# Altium PCB SysUprTestUUDown.PcbDoc (part 3 of 3)
Units mm, origin at the board's own origin, x right, y up, seen from the top; angles counter-clockwise.
Board outline 140.1 x 94.7 mm, 4 copper layers (Top Layer, Mid-Layer 1, Mid-Layer 2, Bottom Layer), stack 1.572 mm thick; 248 components, 135 nets, 1205 pads, 426 vias.
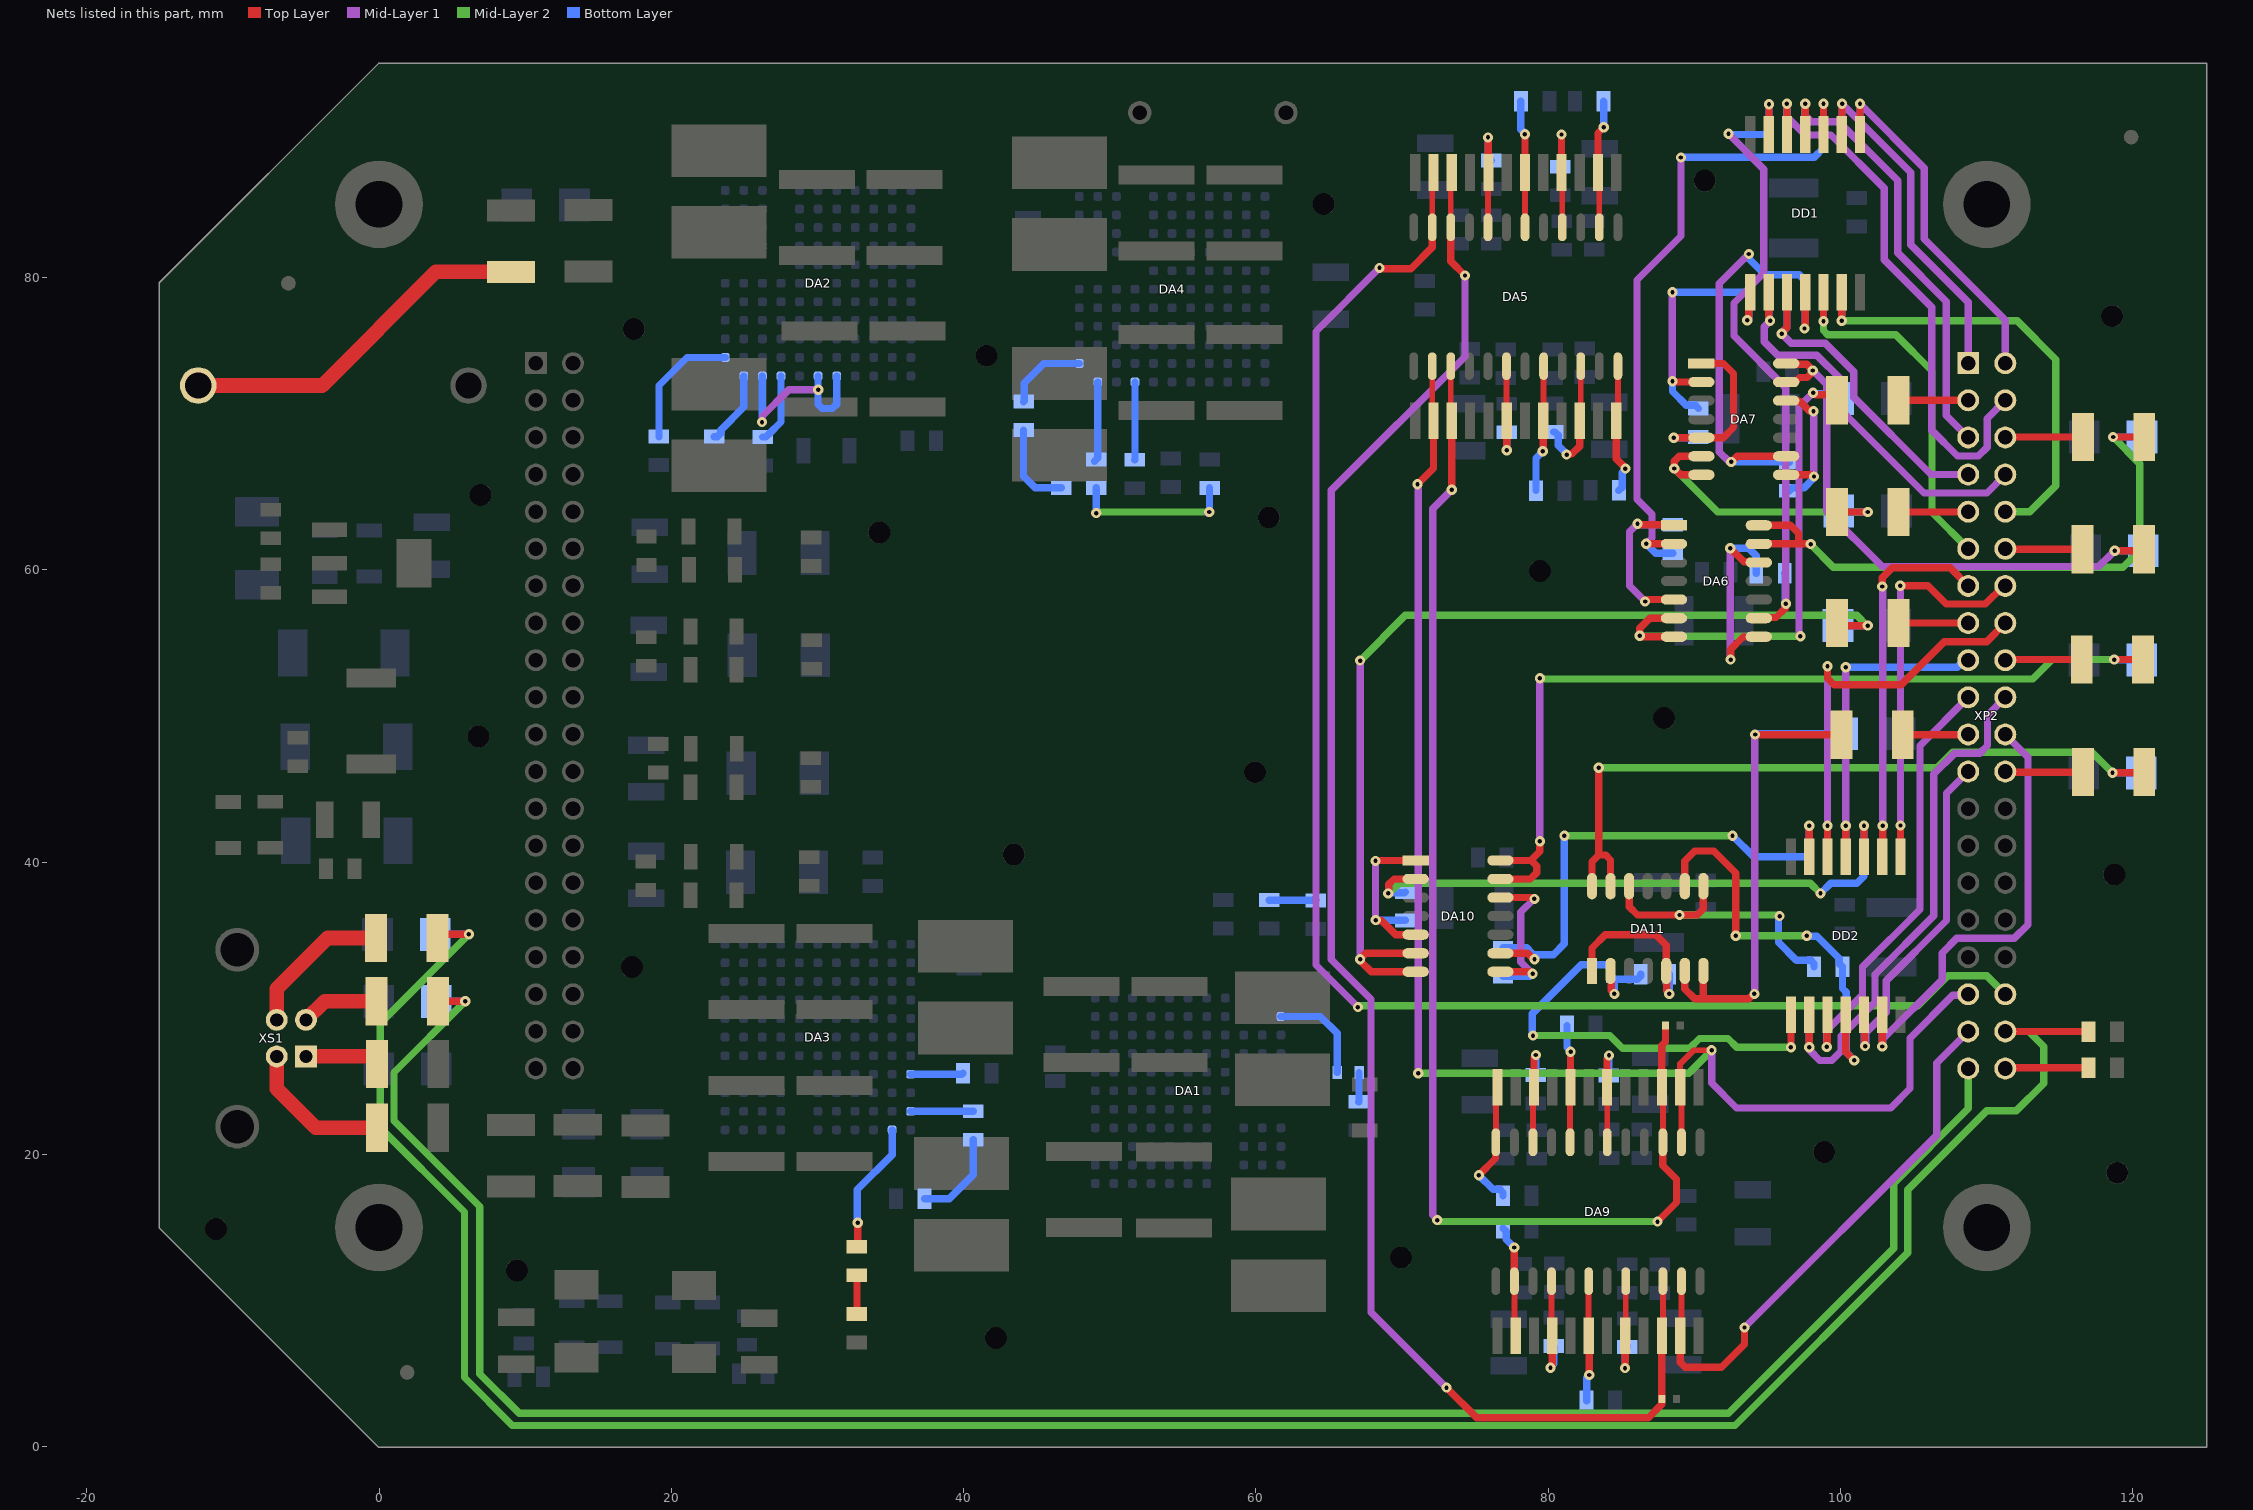
[diagram p5: the nets of this part, all layers, seen from the top]

## Via types
v1: diameter 0.7, hole 0.3, Top Layer to Bottom Layer, tented both sides, 421 vias
v2: diameter 1.1, hole 0.5, Top Layer to Bottom Layer, tented both sides, 5 vias

## Nets (pads, with @x,y where several pads share a name; then routed paths per layer and width w, separated by ;. In a path a pad name is that pad's centre, name@x,y a point inside that pad or via, vN(x,y) a via of type N, cw(c..) or ccw(c..) an arc to the next point about the centre after c; other vN are vias at no path point) (continued)
NetDA1_B1: DA1.B1 R1.2 | length 7
  Bottom Layer w0.5: DA1.B1@61.704,29.43 64.395,29.43 65.55,28.275 R1.2@65.55,25.6
NetDA2_A2: DA2.A2 R12.2 | length 5.1
  Bottom Layer w0.5: R12.2@22.925,69.1 23.15,69.1 23.375,69.325 23.375,69.55 24.96,71.135 DA2.A2@24.96,73.25
NetDA2_A3: DA2.A3 DA2.A6 DA2.A7 | length 13.5
  Mid-Layer 1 w0.5: v1(26.2,70.1) 26.238,70.138 26.238,70.513 28.042,72.317 v1(30.05,72.317)
  Bottom Layer w0.5: v1(26.2,70.1) 26.23,70.13 DA2.A3@26.23,73.25 ; DA2.A6@30.04,73.25 30.04,72.326 v1(30.05,72.317) 30.04,72.307 30.04,71.318 30.333,71.025 31.017,71.025 31.31,71.318 DA2.A7@31.31,73.25
NetDA2_A4: DA2.A4 R4.2 | length 4.8
  Bottom Layer w0.5: R4.2@26.25,69.075 26.475,69.075 26.7,69.3 27.5,70.1 DA2.A4@27.5,73.25
NetDA2_B1: DA2.B1 R11.1 | length 8.8
  Bottom Layer w0.5: R11.1@19.15,69.1 19.15,72.6 21.07,74.52 DA2.B1@23.69,74.52
NetDA3_A2: DA3.A2 R15.1 | length 4.3
  Bottom Layer w0.5: DA3.A2@36.375,22.941 40.645,22.941 R15.1@40.65,22.946
NetDA3_A4: DA3.A4 R5.2 | length 3.6
  Bottom Layer w0.5: DA3.A4@36.375,25.481 39.885,25.481 R5.2@39.95,25.546
NetDA3_B1: DA3.B1 R6.2 | length 9
  Top Layer w0.5: R6.2@32.7,13.675 32.75,13.725 v1(32.75,15.325)
  Bottom Layer w0.5: v1(32.75,15.325) 32.725,15.35 32.725,17.6 35.105,19.98 DA3.B1@35.105,21.671
NetDA4_A2: DA4.A2 R17.1 | length 5.5
  Bottom Layer w0.5: R17.1@48.95,67.425 48.955,67.425 49.18,67.65 DA4.A2@49.18,72.84
NetDA4_A4: DA4.A4 R8.2 | length 5.3
  Bottom Layer w0.5: R8.2@51.7,67.525 51.72,67.545 DA4.A4@51.72,72.84
NetDA4_B1: DA4.B1 R9.2 | length 5.6
  Bottom Layer w0.5: R9.2@44.1,71.5 44.15,71.55 44.15,72.775 45.485,74.11 DA4.B1@47.91,74.11
NetDA5_2: DA5.2 R25.2 | length 5.1
  Top Layer w0.5: DA5.2@83.4,87.175 83.4,89.875 v1(83.8,90.275)
  Bottom Layer w0.5: R25.2@83.775,92.05 83.8,92.025 v1(83.8,90.275)
NetDA5_4: DA5.4 R36.2 | length 4.8
  Top Layer w0.5: DA5.4@80.9,87.175 v1(80.9,89.775)
  Bottom Layer w0.5: R36.2@80.829,87.566 80.9,87.637 v1(80.9,89.775)
NetDA5_6: DA5.6 R29.2 | length 5
  Top Layer w0.5: DA5.6@78.4,87.175 v1(78.4,89.8)
  Bottom Layer w0.5: R29.2@78.121,92.05 78.121,90.133 78.4,89.854 v1(78.4,89.8)
NetDA5_8: DA5.8 R38.2 | length 4.1
  Top Layer w0.5: v1(75.875,89.575) 75.9,89.55 DA5.8@75.9,87.175
  Bottom Layer w0.5: v1(75.875,89.575) 75.875,88.225 R38.2@76.1,88
NetDA5_18: DA5.18 R37.2 | length 3.2
  Top Layer w0.5: v1(77.15,68.175) DA5.18@77.15,70.175
  Bottom Layer w0.5: v1(77.15,68.175) R37.2@77.15,69.4
NetDA5_20: DA5.20 R27.2 | length 5
  Top Layer w0.5: v1(79.625,68.1) 79.65,68.125 DA5.20@79.65,70.175
  Bottom Layer w0.5: R27.2@79.154,65.416 79.154,67.629 v1(79.625,68.1)
NetDA5_22: DA5.22 R35.2 | length 4.8
  Top Layer w0.5: v1(81.25,67.875) 81.288,67.913 81.613,67.913 82.15,68.45 DA5.22@82.15,70.175
  Bottom Layer w0.5: R35.2@80.35,69.421 80.457,69.421 80.682,69.196 80.682,68.497 81.25,67.929 v1(81.25,67.875)
NetDA5_24: DA5.24 R23.2 | length 5.2
  Top Layer w0.5: DA5.24@84.65,70.175 84.65,67.595 85.275,66.97 v1(85.275,66.916)
  Bottom Layer w0.5: R23.2@84.829,65.421 85.054,65.646 85.054,66.641 85.275,66.862 v1(85.275,66.916)
NetDA6_1: DA6.1 DA6.5 R48.2 | length 13
  Top Layer w0.5: v1(86.1,63.15) 86.154,63.15 86.229,63.075 88.56,63.075 DA6.1@88.6,63.035 ; v1(86.625,57.825) 86.679,57.825 86.809,57.955 DA6.5@88.6,57.955
  Mid-Layer 1 w0.5: v1(86.1,63.15) 85.55,62.6 85.55,58.9 v1(86.625,57.825)
  Bottom Layer w0.5: v1(86.1,63.15) 86.154,63.15 86.229,63.075 R48.2@88.525,63.075
NetDA6_2: DA6.2 R39.2 R48.1 | length 43.2
  Top Layer w0.5: v1(86.7,61.775) 86.71,61.765 DA6.2@88.6,61.765
  Mid-Layer 1 w0.5: v1(86.7,61.775) 86.707,61.775 87.1,62.168 87.1,63.8 86.075,64.825 86.075,79.825 89.075,82.825 v1(89.075,88.2)
  Bottom Layer w0.5: v1(86.7,61.775) 87.35,61.125 R48.1@88.525,61.125 ; v1(89.075,88.2) 89.1,88.225 98.2,88.225 98.825,88.85 R39.2@98.825,89.775
NetDA6_6: DA6.6 DA6.7 FU3.1 VD4.KA2 | length 37.4
  Top Layer w0.5: DA6.7@88.6,55.415 86.368,55.415 86.308,55.475 v1(86.254,55.475) 86.254,55.989 86.95,56.685 DA6.6@88.6,56.685 ; v1(98.117,72.112) 98.171,72.112 98.308,71.975 99.375,71.975 FU3.1@99.75,71.6
  Mid-Layer 1 w0.5: v1(97.25,55.45) 97.25,55.504 97.15,55.604 97.15,71.146 v1(98.117,72.112)
  Mid-Layer 2 w0.5: v1(86.254,55.475) 86.279,55.45 v1(97.25,55.45)
  Bottom Layer w0.5: v1(98.117,72.112) 98.171,72.112 98.256,72.028 99.543,72.028 VD4.KA2@99.85,71.721
NetDA6_8: DA6.8 DA6.12 R49.2 | length 16.2
  Top Layer w0.5: v1(92.45,61.475) 93.392,60.533 94.362,60.533 DA6.12@94.4,60.495 ; v1(92.473,53.852) 92.473,54.548 93.317,55.392 94.377,55.392 DA6.8@94.4,55.415
  Mid-Layer 1 w0.5: v1(92.45,61.475) 92.45,53.875 v1(92.473,53.852)
  Bottom Layer w0.5: v1(92.45,61.475) 93.7,61.475 94.229,60.946 R49.2@94.229,59.75
NetDA6_9: DA6.9 R40.2 R49.1 | length 42.8
  Top Layer w0.5: DA6.9@94.4,56.685 94.438,56.723 95.573,56.723 96.218,57.368 96.218,57.637 v1(96.256,57.675)
  Mid-Layer 1 w0.5: v1(92.329,89.825) 94.75,87.404 94.75,80.3 92.7,78.25 92.7,76 96.25,72.45 96.25,57.681 v1(96.256,57.675)
  Bottom Layer w0.5: v1(92.329,89.825) 92.383,89.825 92.433,89.775 R40.2@95.1,89.775 ; R49.1@96.179,59.75 96.218,59.711 96.218,57.713 v1(96.256,57.675)
NetDA6_13: DA6.13 DA6.14 FU4.1 VD5.KA2 | length 43.5
  Top Layer w0.5: DA6.13@94.4,61.765 97.2,61.765 97.935,61.765 v1(97.95,61.75) ; DA6.14@94.4,63.035 96.565,63.035 97.115,62.485 97.115,61.765 ; v1(118.644,69.081) 118.65,69.075 FU4.1@120.775,69.075
  Mid-Layer 2 w0.5: v1(97.95,61.75) 97.95,61.725 99.5,60.175 119.325,60.175 120.475,61.325 120.475,67.25 v1(118.644,69.081)
  Bottom Layer w0.5: v1(118.644,69.081) 118.65,69.075 VD5.KA2@120.625,69.075
NetDA7_1: DA7.1 DA7.5 R50.2 | length 12.3
  Top Layer w0.5: v1(88.58,69.03) DA7.5@90.475,69.03 91.98,69.03 92.675,69.725 92.675,73.425 91.99,74.11 DA7.1@90.475,74.11
  Bottom Layer w0.5: v1(88.58,69.03) 90.23,69.03 R50.2@90.275,69.075
NetDA7_2: DA7.2 R41.2 R50.1 | length 16.3
  Top Layer w0.5: v1(88.5,72.9) 88.554,72.9 88.614,72.84 DA7.2@90.475,72.84
  Mid-Layer 1 w0.5: v1(88.5,72.9) 88.475,72.925 88.475,78.95 v1(88.5,78.975)
  Bottom Layer w0.5: v1(88.5,72.9) 88.5,72.195 89.445,71.25 90.05,71.25 R50.1@90.275,71.025 ; v1(88.5,78.975) R41.2@93.75,78.975
NetDA7_6: DA7.6 DA7.7 FU5.1 VD6.KA2 | length 23.1
  Top Layer w0.5: DA7.7@90.475,66.49 89.06,66.49 v1(88.625,66.925) 88.625,67.425 88.96,67.76 DA7.6@90.475,67.76 ; FU5.1@99.75,63.95 v1(101.85,63.95)
  Mid-Layer 2 w0.5: v1(88.625,66.925) 91.6,63.95 v1(101.85,63.95)
  Bottom Layer w0.5: VD6.KA2@99.875,64.025 99.95,63.95 v1(101.85,63.95)
NetDA7_8: DA7.8 DA7.12 R51.2 | length 10.8
  Top Layer w0.5: DA7.8@96.275,66.49 98.006,66.49 98.121,66.375 v1(98.175,66.375) ; DA7.12@96.275,71.57 96.313,71.532 97.193,71.532 97.849,70.876 98.108,70.876 v1(98.146,70.838)
  Mid-Layer 1 w0.5: v1(98.146,70.838) 98.161,70.824 98.161,66.389 v1(98.175,66.375)
  Bottom Layer w0.5: R51.2@96.475,65.4 96.68,65.605 97.505,65.605 98.137,66.237 98.137,66.337 v1(98.175,66.375)
NetDA7_9: DA7.9 R42.2 R51.1 | length 29
  Top Layer w0.5: v1(92.525,67.375) 92.533,67.375 92.918,67.76 DA7.9@96.275,67.76
  Mid-Layer 1 w0.5: v1(92.525,67.375) 92.487,67.413 92.337,67.413 91.7,68.05 91.7,79.575 v1(93.725,81.6)
  Bottom Layer w0.5: v1(92.525,67.375) 96.45,67.375 R51.1@96.475,67.35 ; v1(93.725,81.6) 93.763,81.562 93.763,81.237 94.825,80.175 97.175,80.175 97.575,79.775 R42.2@97.575,78.975
NetDA7_13: DA7.13 DA7.14 FU6.1 VD7.KA2 | length 39.9
  Top Layer w0.5: DA7.13@96.275,72.84 96.879,72.84 97.189,73.15 97.707,73.15 98.062,73.505 98.062,73.587 v1(98.1,73.625) 97.675,74.05 97.026,74.05 97.005,74.072 96.313,74.072 DA7.14@96.275,74.11 ; v1(118.75,61.3) 120.65,61.3 FU6.1@120.75,61.4
  Mid-Layer 1 w0.5: v1(98.1,73.625) 99.05,72.675 99.05,64 102.825,60.225 117.675,60.225 v1(118.75,61.3)
  Bottom Layer w0.5: v1(118.75,61.3) VD7.KA2@120.7,61.3
NetDA9_2: DA9.2 R60.2 | length 3.9
  Top Layer w0.5: v1(77.675,13.625) 77.68,13.62 DA9.2@77.68,11.325
  Bottom Layer w0.5: R60.2@76.9,14.95 77.125,14.725 77.125,14.175 v1(77.675,13.625)
NetDA9_4: DA9.4 R73.2 | length 3.8
  Top Layer w0.5: v1(80.15,5.4) 80.15,5.454 80.27,5.574 DA9.4@80.27,7.575
  Bottom Layer w0.5: v1(80.15,5.4) 80.15,5.454 80.375,5.679 R73.2@80.375,6.875
NetDA9_6: DA9.6 R64.2 | length 4.5
  Top Layer w0.5: DA9.6@82.77,7.575 82.8,7.545 v1(82.8,4.9)
  Bottom Layer w0.5: R64.2@82.625,3.15 82.625,4.725 v1(82.8,4.9)
NetDA9_8: DA9.8 R75.2 | length 3.7
  Top Layer w0.5: v1(85.25,5.375) 85.27,5.395 DA9.8@85.27,7.575
  Bottom Layer w0.5: v1(85.25,5.375) 85.25,6.675 R75.2@85.4,6.825
NetDA9_18: DA9.18 R74.2 | length 3.6
  Top Layer w0.5: DA9.18@84.02,24.575 84.02,26.583 84.15,26.713 v1(84.15,26.767)
  Bottom Layer w0.5: R74.2@84.15,25.4 v1(84.15,26.767)
NetDA9_20: DA9.20 R62.2 | length 4.3
  Top Layer w0.5: DA9.20@81.52,24.575 81.52,27.02 v1(81.525,27.025)
  Bottom Layer w0.5: R62.2@81.275,28.8 81.275,27.329 81.525,27.079 v1(81.525,27.025)
NetDA9_22: DA9.22 R72.2 | length 3.7
  Top Layer w0.5: DA9.22@79.02,24.575 79.02,26.616 79.15,26.746 v1(79.15,26.8)
  Bottom Layer w0.5: R72.2@79.15,25.425 v1(79.15,26.8)
NetDA9_24: DA9.24 R58.2 | length 5.1
  Top Layer w0.5: v1(75.25,18.575) 76.391,19.716 76.391,20.806 DA9.24@76.41,20.825
  Bottom Layer w0.5: v1(75.25,18.575) 76.221,17.604 76.675,17.604 76.9,17.379 R58.2@76.9,17.154
NetDA10_1: DA10.1 DA10.5 R82.2 | length 12
  Top Layer w0.5: v1(68.175,40.075) 68.21,40.11 DA10.1@70.925,40.11 ; v1(68.2,36.025) 68.238,35.987 68.613,35.987 69.57,35.03 DA10.5@70.925,35.03
  Mid-Layer 1 w0.5: v1(68.175,40.075) 68.175,36.05 v1(68.2,36.025)
  Bottom Layer w0.5: v1(68.2,36.025) 68.213,36.013 70.212,36.013 R82.2@70.225,36
NetDA10_2: DA10.2 R76.2 R82.1 | length 38.8
  Top Layer w0.5: v1(69.05,37.85) 69.088,37.888 69.088,38.488 69.44,38.84 DA10.2@70.925,38.84
  Mid-Layer 2 w0.5: v1(69.05,37.85) 69.104,37.85 69.804,38.55 97.925,38.55 v1(98.625,37.85)
  Bottom Layer w0.5: v1(69.05,37.85) 69.088,37.888 70.163,37.888 R82.1@70.225,37.95 ; v1(98.625,37.85) 99.325,38.55 101.125,38.55 101.6,39.025 R76.2@101.6,40.35
NetDA10_6: DA10.6 DA10.7 FU10.1 VD10.KA2 | length 69.1
  Top Layer w0.5: DA10.7@70.925,32.49 67.885,32.49 67.225,33.15 67.225,33.196 67.125,33.296 67.125,33.367 67.518,33.76 DA10.6@70.925,33.76 ; FU10.1@99.75,56.35 99.925,56.175 v1(101.85,56.175)
  Mid-Layer 1 w0.5: v1(67.125,33.35) v1(67.125,53.779)
  Mid-Layer 2 w0.5: v1(67.125,53.779) 70.221,56.875 101.096,56.875 101.796,56.175 v1(101.85,56.175)
  Bottom Layer w0.5: VD10.KA2@99.825,56.175 v1(101.85,56.175)
NetDA10_8: DA10.8 DA10.12 R83.2 | length 12.6
  Top Layer w0.5: DA10.8@76.725,32.49 78.731,32.49 78.871,32.35 v1(78.925,32.35) ; DA10.12@76.725,37.57 78.901,37.57 78.996,37.475 v1(79.05,37.475)
  Mid-Layer 1 w0.5: v1(78.925,32.35) 78.12,33.155 78.12,36.576 79.019,37.475 v1(79.05,37.475)
  Bottom Layer w0.5: R83.2@76.9,32.175 78.75,32.175 v1(78.925,32.35)
NetDA10_9: DA10.9 R77.2 R83.1 | length 32.3
  Top Layer w0.5: DA10.9@76.725,33.76 78.592,33.76 79.002,33.35 v1(79.056,33.35)
  Mid-Layer 2 w0.5: v1(81.1,41.8) v1(92.604,41.8)
  Bottom Layer w0.5: R83.1@76.9,34.125 78.521,34.125 78.887,33.759 78.887,33.688 78.925,33.65 80.35,33.65 81.1,34.4 v1(81.1,41.8) ; v1(79.056,33.35) v1@79.056,33.65 ; v1(92.604,41.8) 94.054,40.35 R77.2@97.85,40.35
NetDA10_13: DA10.13 DA10.14 FU11.1 VD11.KA2 | length 62.2
  Top Layer w0.5: DA10.13@76.725,38.84 78.765,38.84 79.2,39.275 79.2,39.725 78.815,40.11 ; DA10.14@76.725,40.11 78.815,40.11 ; v1(79.425,41.425) 79.425,40.72 78.815,40.11 ; v1(118.725,53.85) FU11.1@120.7,53.85
  Mid-Layer 1 w0.5: v1(79.425,41.425) v1(79.425,52.575)
  Mid-Layer 2 w0.5: v1(79.425,52.575) 79.475,52.525 113.15,52.525 114.475,53.85 v1(118.725,53.85)
  Bottom Layer w0.5: v1(118.725,53.85) 118.75,53.825 VD11.KA2@120.6,53.825
NetDA11_1: DA11.1 DA11.5 R84.2 | length 12.1
  Top Layer w0.5: DA11.1@82.99,32.546 82.99,34.115 83.9,35.025 87.35,35.025 88.07,34.305 DA11.5@88.07,32.546 88.108,32.507 88.108,31.196 88.275,31.029 v1(88.275,30.975)
  Bottom Layer w0.5: v1(88.275,30.975) R84.2@88.275,32.325
NetDA11_2: DA11.2 R78.2 R84.1 | length 5
  Top Layer w0.5: DA11.2@84.26,32.546 84.298,32.507 84.298,31.206 84.525,30.979 v1(84.525,30.975)
  Bottom Layer w0.5: R78.2@84.225,31.975 84.525,31.975 ; v1(84.525,30.975) 84.525,31.975 ; R84.1@86.325,32.325 86.325,32.2 86.1,31.975 84.525,31.975
NetDA11_6: DA11.6 DA11.7 FU12.1 VD12.KA2 | length 38
  Top Layer w0.5: DA11.6@89.34,32.546 89.34,31.31 90.012,30.638 90.61,30.638 ; DA11.7@90.61,32.546 90.61,30.638 ; v1(94.1,30.975) 94.046,30.975 93.709,30.638 90.61,30.638 ; v1(94.15,48.725) 94.175,48.7 FU12.1@100.05,48.7
  Mid-Layer 1 w0.5: v1(94.1,30.975) 94.125,31 94.125,48.7 v1(94.15,48.725)
  Bottom Layer w0.5: v1(94.15,48.725) 94.204,48.725 94.254,48.775 VD12.KA2@100.125,48.775
NetDA11_8: DA11.8 DA11.12 R85.2 | length 20.4
  Top Layer w0.5: DA11.12@85.53,38.346 85.53,36.945 86.1,36.375 v1(88.975,36.375) 90.2,36.375 90.61,36.785 DA11.8@90.61,38.346
  Mid-Layer 2 w0.5: v1(88.975,36.375) 95.609,36.375 95.645,36.338 95.787,36.338 v1(95.825,36.3)
  Bottom Layer w0.5: v1(95.825,36.3) 95.787,36.262 95.787,36.12 95.75,36.084 95.75,34.5 96.975,33.275 97.95,33.275 98.175,33.05 R85.2@98.175,32.825
NetDA11_9: DA11.9 R79.2 R85.1 | length 22.2
  Top Layer w0.5: DA11.9@89.34,38.346 89.34,40.065 90.025,40.75 91.325,40.75 92.825,39.25 v1(92.825,34.95)
  Mid-Layer 2 w0.5: v1(92.825,34.95) v1(97.675,34.95)
  Bottom Layer w0.5: v1(97.675,34.95) 97.713,34.912 98.388,34.912 99.9,33.4 99.9,33.05 R85.1@100.125,32.825 100.125,31.35 100.375,31.1 R79.2@100.375,29.55
NetDA11_13: DA11.13 DA11.14 FU13.1 VD13.KA2 | length 51.4
  Top Layer w0.5: DA11.14@82.99,38.346 82.99,40.015 83.45,40.475 ; v1(83.45,46.45) 83.45,40.475 ; DA11.13@84.26,38.346 84.26,40.14 83.925,40.475 83.45,40.475 ; v1(118.6,46.1) 120.725,46.1 FU13.1@120.775,46.15
  Mid-Layer 2 w0.5: v1(83.45,46.45) 106.6,46.45 107.65,47.5 117.2,47.5 v1(118.6,46.1)
  Bottom Layer w0.5: v1(118.6,46.1) VD13.KA2@120.575,46.1
NetDD1_3: DD1.3 R39.1 | length 3.2
  Top Layer w0.5: v1@98.8,91.9 v1(98.825,91.875) DD1.3@98.825,89.775
  Bottom Layer w0.5: R39.1@98.825,90.775 v1(98.825,91.875)
NetDD1_6: DD1.6 R40.1 | length 3.2
  Top Layer w0.5: DD1.6@95.075,89.775 95.1,89.8 v1(95.1,91.85)
  Bottom Layer w0.5: R40.1@95.1,90.775 v1(95.1,91.85)
NetDD1_8: DD1.8 R41.1 | length 3
  Top Layer w0.5: v1(93.616,77.066) 93.616,77.12 93.725,77.229 93.725,78.875 DD1.8@93.825,78.975
  Bottom Layer w0.5: v1(93.616,77.066) 93.616,77.12 93.725,77.229 93.725,77.975 R41.1@93.75,77.975
NetDD1_11: DD1.11 R42.1 | length 4
  Top Layer w0.5: v1(97.525,76.5) 97.525,76.554 97.575,76.604 DD1.11@97.575,78.975
  Bottom Layer w0.5: v1(97.525,76.5) 97.525,76.554 97.575,76.604 R42.1@97.575,77.975
NetDD2_3: DD2.3 R76.1 | length 3.2
  Top Layer w0.5: DD2.3@101.6,40.35 v1(101.6,42.475)
  Bottom Layer w0.5: R76.1@101.6,41.35 v1(101.6,42.475)
NetDD2_6: DD2.6 R77.1 | length 3.2
  Top Layer w0.5: DD2.6@97.85,40.35 v1(97.85,42.475)
  Bottom Layer w0.5: R77.1@97.85,41.35 v1(97.85,42.475)
NetDD2_8: DD2.8 R78.1 | length 29
  Top Layer w0.5: v1(96.6,27.325) DD2.8@96.6,29.55
  Mid-Layer 2 w0.5: v1(78.95,28.125) 84.2,28.125 85.075,27.25 89.675,27.25 90.35,27.925 92.3,27.925 92.9,27.325 v1(96.6,27.325)
  Bottom Layer w0.5: v1(78.95,28.125) 78.912,28.163 78.912,28.305 78.9,28.316 78.9,29.625 82.25,32.975 R78.1@84.225,32.975
NetDD2_11: DD2.11 R79.1 | length 5.7
  Top Layer w0.5: DD2.11@100.35,29.55 100.35,27 v1(100.925,26.425)
  Bottom Layer w0.5: R79.1@100.375,28.55 100.375,26.975 v1(100.925,26.425)
NetFU1_2: FU1.2 VD1.K | length 24.6
  Top Layer w1: VD1.K@-12.375,72.6 -3.9,72.6 3.875,80.375 FU1.2@9.025,80.375
NetFU14_2: FU14.2 XS1.1 | length 5.2
  Top Layer w1: XS1.1@-5,26.7 -0.4,26.7 -0.15,26.45 FU14.2@-0.15,26.175
NetFU15_1: FU15.1 XS1.3 | length 10.4
  Top Layer w1: XS1.3@-7,29.2 -7,31.325 -3.521,34.804 FU15.1@-0.2,34.804
NetFU16_1: FU16.1 XS1.2 | length 5.4
  Top Layer w1: XS1.2@-5,29.2 -3.721,30.479 FU16.1@-0.175,30.479
NetFU17_2: FU17.2 XS1.4 | length 10.2
  Top Layer w1: XS1.4@-7,26.7 -7,24.5 -4.325,21.825 FU17.2@-0.15,21.825
NetR1_1: R1.1 R2.1 | length 2
  Bottom Layer w0.5: R2.1@67.025,23.6 67.05,23.625 R1.1@67.05,25.6
NetR6_1: R6.1 R7.1 | length 2.7
  Top Layer w0.5: R7.1@32.675,9.075 32.7,9.1 R6.1@32.7,11.725
NetR9_1: R9.1 R10.1 | length 6.1
  Bottom Layer w0.5: R9.1@44.1,69.55 44.1,66.4 44.9,65.6 R10.1@46.675,65.6
NetR13_2: R13.2 R14.2 | length 3.2
  Bottom Layer w0.5: R13.2@60.9,37.391 64.084,37.391 R14.2@64.1,37.375
NetR15_2: R15.2 R16.2 | length 6.4
  Bottom Layer w0.5: R16.2@37.325,16.971 39.021,16.971 40.65,18.6 R15.2@40.65,20.996
NetR17_2: R17.2 R18.2 | length 11.3
  Mid-Layer 1 w0.5: v1@56.671,63.875 56.746,63.95 v1(56.8,63.95)
  Mid-Layer 2 w0.5: v1(49.075,63.875) 49.129,63.875 49.204,63.95 v1(56.8,63.95)
  Bottom Layer w0.5: v1(49.075,63.875) R17.2@49.075,65.6 ; v1(56.8,63.95) 56.825,63.975 R18.2@56.825,65.6
OTG_FS_DM: FU16.2 VD15.KA2 XP2.39 | length 150.8
  Top Layer w0.5: FU16.2@4.025,30.479 5.896,30.479 v1(5.9,30.475)
  Mid-Layer 2 w0.5: v1(5.9,30.475) 1.025,25.6 1.025,22.3 6.9,16.425 6.9,4.975 9.6,2.275 92.325,2.275 103.625,13.575 103.625,18.025 108.73,23.13 XP2.39@108.73,25.87
  Bottom Layer w0.5: VD15.KA2@3.925,30.446 3.954,30.475 v1(5.9,30.475)
OTG_FS_DP: FU15.2 R87.2 VD16.KA2 XP2.38 | length 172.7
  Top Layer w0.5: FU15.2@4,34.804 4.246,35.05 v1(6.15,35.05) ; XP2.38@111.27,28.41 111.28,28.4 R87.2@116.95,28.4
  Mid-Layer 2 w0.5: v1(6.15,35.05) 0.075,28.975 0.075,21.825 5.85,16.05 5.85,4.725 9.125,1.45 92.775,1.45 104.6,13.275 104.6,17.575 110,22.975 112.025,22.975 113.9,24.85 113.9,27.375 112.865,28.41 XP2.38@111.27,28.41
  Bottom Layer w0.5: VD16.KA2@3.85,35.05 v1(6.15,35.05)
OTG_FS_ID: R86.2 XP2.40 | length 5.7
  Top Layer w0.5: XP2.40@111.27,25.87 111.325,25.925 R86.2@116.95,25.925
RS: DA5.15 DA9.15 R43.1 | length 81.1
  Top Layer w0.5: v1(73.4,65.475) DA5.15@73.4,70.175 ; v1(87.475,15.4) 88.775,16.7 88.775,18.3 87.84,19.235 DA9.15@87.84,20.825 ; DA9.15@87.77,24.575 87.77,27.445 88.025,27.7 R43.1@88.025,28.8
  Mid-Layer 1 w0.5: v1(72.4,15.5) 72.4,15.554 72.1,15.854 72.1,64.175 v1(73.4,65.475)
  Mid-Layer 2 w0.5: v1(72.4,15.5) 72.454,15.5 72.554,15.4 v1(87.475,15.4)
SHCP_CLK: DA5.14 DA9.14 XP2.35 | length 95.7
  Top Layer w0.4: DA9.14@89.02,24.575 89.02,26.195 89.95,27.125 v1(91.175,27.125)
  Top Layer w0.5: v1(71.05,65.846) 72.15,66.946 DA5.14@72.15,70.175
  Mid-Layer 1 w0.5: v1(71.05,65.846) 71.05,65.792 71.1,65.742 v1(71.1,25.55) ; v1(91.175,27.125) 91.175,24.875 92.875,23.175 103.425,23.175 104.75,24.5 104.75,27.95 107.679,30.879 108.659,30.879 XP2.35@108.73,30.95
  Mid-Layer 2 w0.5: v1(71.1,25.55) 89.6,25.55 v1(91.175,27.125)
SHDN: DA5.10 DA9.10 R44.1 | length 107.5
  Top Layer w0.5: v1(73.038,4.038) 75.102,1.975 86.85,1.975 87.77,2.895 87.77,3.074 87.775,3.079 R44.1@87.775,3.25 ; DA5.10@73.33,83.425 73.33,81.095 v1(74.3,80.125) ; R44.1@87.77,3.25 DA9.10@87.77,7.575
  Mid-Layer 1 w0.5: v1(73.038,4.038) 67.875,9.202 67.875,30.6 65.15,33.325 65.15,65.425 74.3,74.575 v1(74.3,80.125)
STCP_CS1: DA5.11 XP2.36 | length 104.9
  Top Layer w0.5: v1(68.45,80.65) 68.488,80.612 68.63,80.612 68.641,80.6 70.6,80.6 72.06,82.06 DA5.11@72.06,83.425
  Mid-Layer 1 w0.5: v1(66.975,30.075) 64.1,32.95 64.1,76.3 v1(68.45,80.65)
  Mid-Layer 2 w0.5: v1(66.975,30.075) 67.029,30.075 67.129,30.175 105.3,30.175 107.35,32.225 109.995,32.225 XP2.36@111.27,30.95
STCP_CS2: DA9.11 XP2.37 | length 34.7
  Top Layer w0.5: DA9.11@89.02,7.575 89.02,5.78 89.375,5.425 91.85,5.425 93.425,7 v1(93.425,8.15)
  Mid-Layer 1 w0.5: v1(93.425,8.15) 106.575,21.3 106.575,26.255 XP2.37@108.73,28.41
VOLT1_EN: DD1.1 R19.2 XP2.2 | length 25.1
  Top Layer w0.5: DD1.1@101.325,89.775 v1(101.325,91.875)
  Mid-Layer 1 w0.5: v1(101.325,91.875) 105.725,87.475 105.725,82.625 111.27,77.08 XP2.2@111.27,74.13
  Bottom Layer w0.5: R19.2@101.325,90.775 v1(101.325,91.875)
VOLT1_PCB: FU3.2 XP2.3 | length 4.8
  Top Layer w0.5: FU3.2@103.95,71.6 108.72,71.6 XP2.3@108.73,71.59
VOLT1_UIM: DD1.2 R24.2 XP2.1 | length 24.5
  Top Layer w0.5: DD1.2@100.075,89.775 100.1,89.8 v1(100.1,91.875)
  Mid-Layer 1 w0.5: v1(100.1,91.875) 104.8,87.175 104.8,82.225 108.73,78.295 XP2.1@108.73,74.13
  Bottom Layer w0.5: R24.2@100.1,90.775 v1(100.1,91.875)
VOLT2_EN: DD1.4 R20.2 XP2.5 | length 31.7
  Top Layer w0.5: DD1.4@97.575,89.775 v1(97.575,91.875)
  Mid-Layer 1 w0.5: v1(97.575,91.875) 97.575,91.075 98,90.65 99.875,90.65 103.9,86.625 103.9,81.675 107.225,78.35 107.225,70.555 XP2.5@108.73,69.05
  Bottom Layer w0.5: R20.2@97.575,90.775 v1(97.575,91.875)
VOLT2_PCB: FU4.2 XP2.6 | length 5.3
  Top Layer w0.5: XP2.6@111.27,69.05 111.295,69.075 FU4.2@116.575,69.075
VOLT2_UIM: DD1.5 R26.2 XP2.4 | length 39.1
  Top Layer w0.5: DD1.5@96.325,89.775 v1(96.325,91.875)
  Mid-Layer 1 w0.5: v1(96.325,91.875) 96.325,91 97.587,89.738 99.337,89.738 102.975,86.1 102.975,81.2 106.225,77.95 106.225,69.55 108,67.775 109.425,67.775 110.025,68.375 110.025,70.345 XP2.4@111.27,71.59
  Bottom Layer w0.5: R26.2@96.325,90.8 v1(96.325,91.875)
VOLT3_EN: DD1.9 R21.2 XP2.8 | length 27.1
  Top Layer w0.5: DD1.9@95.075,78.975 95.075,77.179 95.175,77.079 v1(95.175,77.025)
  Mid-Layer 1 w0.5: v1(95.175,77.025) 94.775,76.625 94.775,75.6 95.7,74.675 98.375,74.675 100.025,73.025 100.025,70.925 105.7,65.25 110.01,65.25 XP2.8@111.27,66.51
  Bottom Layer w0.5: R21.2@95.075,77.975 95.075,77.179 95.175,77.079 v1(95.175,77.025)
VOLT3_PCB: FU5.2 XP2.9 | length 4.8
  Top Layer w0.5: FU5.2@103.95,63.95 108.71,63.95 XP2.9@108.73,63.97
VOLT3_UIM: DD1.10 R28.2 XP2.7 | length 22.7
  Top Layer w0.5: v1(95.975,76.15) 95.975,76.193 96.325,76.543 DD1.10@96.325,78.975
  Mid-Layer 1 w0.5: v1(95.975,76.15) 96.625,75.5 98.95,75.5 100.9,73.55 100.9,71.8 106.19,66.51 XP2.7@108.73,66.51
  Bottom Layer w0.5: v1(95.975,76.15) 95.975,76.193 96.325,76.543 R28.2@96.325,77.975
VOLT4_EN: DD1.12 R22.2 XP2.11 | length 25.5
  Top Layer w0.5: v1(98.825,77) DD1.12@98.825,78.975
  Mid-Layer 1 w0.5: XP2.11@108.624,61.536 XP2.11@108.73,61.43
  Mid-Layer 2 w0.5: v1(98.825,77) 98.825,76.368 99.118,76.075 103.775,76.075 106.25,73.6 106.25,63.91 XP2.11@108.73,61.43
  Bottom Layer w0.5: v1(98.825,77) R22.2@98.825,77.975
VOLT4_PCB: FU6.2 XP2.12 | length 5.3
  Top Layer w0.5: XP2.12@111.27,61.43 111.3,61.4 FU6.2@116.55,61.4
VOLT4_UIM: DD1.13 R30.2 XP2.10 | length 31.5
  Top Layer w0.5: v1(100.075,77.025) DD1.13@100.075,78.975
  Mid-Layer 2 w0.5: v1(100.075,77.025) 112.075,77.025 114.725,74.375 114.725,65.75 112.945,63.97 XP2.10@111.27,63.97
  Bottom Layer w0.5: v1(100.075,77.025) R30.2@100.075,78
VOLT5_EN: DD2.1 R54.2 XP2.14 | length 27.9
  Top Layer w0.5: v1(104.075,58.9) 105.975,58.9 107.225,57.65 109.9,57.65 111.14,58.89 XP2.14@111.27,58.89 ; DD2.1@104.1,40.35 v1(104.1,42.5)
  Mid-Layer 1 w0.5: v1(104.075,58.9) 104.1,58.875 v1(104.1,42.5)
  Bottom Layer w0.5: R54.2@104.1,41.35 v1(104.1,42.5)
VOLT5_PCB: FU10.2 XP2.15 | length 4.8
  Top Layer w0.5: FU10.2@103.95,56.35 XP2.15@108.73,56.35
VOLT5_UIM: DD2.2 R59.2 XP2.13 | length 26.9
  Top Layer w0.5: DD2.2@102.85,40.35 102.875,40.375 v1(102.875,42.475) ; v1(102.85,58.85) 102.85,59.45 103.525,60.125 107.495,60.125 XP2.13@108.73,58.89
  Mid-Layer 1 w0.5: v1(102.85,58.85) 102.875,58.825 v1(102.875,42.475)
  Bottom Layer w0.5: R59.2@102.871,41.35 102.871,42.471 v1(102.875,42.475)
VOLT6_EN: DD2.4 R55.2 XP2.17 | length 22.7
  Top Layer w0.5: DD2.4@100.35,40.35 v1(100.35,42.475)
  Mid-Layer 1 w0.5: v1(100.35,42.475) v1(100.35,53.325)
  Bottom Layer w0.5: R55.2@100.35,41.35 v1(100.35,42.475) ; v1(100.35,53.325) 107.974,53.325 108.459,53.81 XP2.17@108.73,53.81
VOLT6_PCB: FU11.2 XP2.18 | length 5.2
  Top Layer w0.5: XP2.18@111.27,53.81 111.31,53.85 FU11.2@116.5,53.85
VOLT6_UIM: DD2.5 R61.2 XP2.16 | length 29.1
  Top Layer w0.5: DD2.5@99.1,40.35 v1(99.1,42.475) ; v1(99.1,53.4) 99.1,52.575 99.55,52.125 104.15,52.125 107.1,55.075 109.995,55.075 XP2.16@111.27,56.35
  Mid-Layer 1 w0.5: v1(99.1,42.475) v1(99.1,53.4)
  Bottom Layer w0.5: R61.2@99.1,41.35 v1(99.1,42.475)
VOLT7_EN: DD2.9 R56.2 XP2.20 | length 36.2
  Top Layer w0.5: v1(97.85,27.325) DD2.9@97.85,29.55
  Mid-Layer 1 w0.5: v1(97.85,27.325) 97.888,27.287 97.888,27.112 98.575,26.425 99.4,26.425 100.05,27.075 100.05,28.1 102.35,30.4 102.35,32.3 106.375,36.325 106.375,46.025 107.8,47.45 109.525,47.45 110.05,47.975 110.05,50.05 XP2.20@111.27,51.27
  Bottom Layer w0.5: v1(97.85,27.325) R56.2@97.85,28.55
VOLT7_PCB: FU12.2 XP2.21 | length 4.5
  Top Layer w0.5: FU12.2@104.25,48.7 108.7,48.7 XP2.21@108.73,48.73
VOLT7_UIM: DD2.10 R63.2 XP2.19 | length 31.4
  Top Layer w0.5: v1(99.05,27.35) 99.075,27.375 99.075,29.525 DD2.10@99.1,29.55
  Mid-Layer 1 w0.5: v1(99.05,27.35) 99.05,28.475 101.5,30.925 101.5,32.825 105.425,36.75 105.425,47.965 XP2.19@108.73,51.27
  Bottom Layer w0.5: v1(99.05,27.35) 99.075,27.375 99.075,28.55 R63.2@99.1,28.55
VOLT8_EN: DD2.12 R57.2 XP2.23 | length 25.1
  Top Layer w0.5: DD2.12@101.6,29.55 101.638,29.512 101.638,27.441 v1(101.677,27.403)
  Mid-Layer 1 w0.5: v1(101.677,27.403) 101.715,27.441 101.715,28.315 103.125,29.725 103.125,31.875 107.25,36 107.25,44.71 XP2.23@108.73,46.19
  Bottom Layer w0.5: R57.2@101.6,28.55 101.6,27.534 101.677,27.457 v1(101.677,27.403)
VOLT8_PCB: FU13.2 XP2.24 | length 5.3
  Top Layer w0.5: XP2.24@111.27,46.19 111.31,46.15 FU13.2@116.575,46.15
VOLT8_UIM: DD2.13 R65.2 XP2.22 | length 31.8
  Top Layer w0.5: v1(102.85,27.375) DD2.13@102.85,29.55
  Mid-Layer 1 w0.5: v1(102.85,27.375) 102.888,27.413 102.888,27.888 106.95,31.95 106.95,33.775 107.95,34.775 111.882,34.775 112.825,35.718 112.825,47.175 XP2.22@111.27,48.73
  Bottom Layer w0.5: v1(102.85,27.375) R65.2@102.85,28.55
pads on no net: DA1.A5 DA1.A7 DA2.A5 DA3.A7 DA3.C1 DA4.A5 DA4.A7 DA4.C1 REPER1.REP REPER2.REP REPER3.REP REPER4.REP REPER5.REP REPER6.REP XP2.25 XP2.26 XP2.27 XP2.28 XP2.29 XP2.30 XP2.31 XP2.32 XS1.

## Polygon pours and split planes (outlines as drawn)
no net on Top Overlay "NONET_L-01_P-001" (solid): 107.15,2.6 107.15,5.6 114.15,5.6 114.15,2.6
GND on Top Layer "NONET_L-01_P-001" (solid, pour order 1): -14.955,15.023 0.023,0.05 124.95,0.05 124.95,94.55 0.023,94.555 -14.955,79.577
GND on Bottom Layer "NONET_L-01_P-001" (solid, pour order 0): -14.955,15.023 0.023,0.05 124.95,0.05 124.95,94.55 0.023,94.555 -14.955,79.577

## Keep-outs
Keep-Out Layer:
  lines w0.1: 42,-0.1 44,-0.1 ; 53,-0.1 44,-0.1 ; 125,94.575 125,3 125,0 121,0 0,0 -15,15 -15,79.6 ; 125,94.6 0,94.6 ; -15,79.6 0,94.6 ; -15,79.6 0,94.6 ; 44,-0.1 44,-0.1

## Silkscreen, mask and mechanical layers (free items; w line width, h text height)
Top Overlay:
  lines w0.2: -6,15 ccw(c0,15) 0,9 ; -5.9,84.825 cw(c0.1,84.825) 0.1,90.825 ; -5,15 ccw(c0,15) 0,10 ; -4.9,84.825 cw(c0.1,84.825) 0.1,89.825 ; -4,15 ccw(c0,15) 0,11 ; -3.9,84.825 cw(c0.1,84.825) 0.1,88.825 ; 110,9 ccw(c110,15) 116,15 ; 110,10 ccw(c110,15) 115,15 ; 110,11 ccw(c110,15) 114,15 ; 110,89 cw(c110,85) 114,85 ; 110,90 cw(c110,85) 115,85 ; 110,91 cw(c110,85) 116,85
  lines w0.25: 70.15,52.15 73.875,52.15 ; 70.15,53.875 68.425,53.875 72.525,49.775 80.35,49.775 77.988,52.137 ; 71.725,56.025 71.725,58.35 76.275,53.8 76.275,46.025 73.875,48.425 ; 73.85,52.175 76.263,49.762 ; 73.875,49.775 73.875,48.425 ; 73.875,52.175 73.875,56.056 ; 76.313,52.137 77.975,52.137 77.975,56.025 70.15,56.025 70.15,48.425 73.875,48.425 ; 76.325,48.075 78.025,48.075 78.025,49.75
  text "NPC RADAR SERVICE" at 34.275,56.633 h3
  text "RZ" at 66.628,54.447 h4 r45
  text "SYS UPR TEST UU" at 36.2,53.408 h3
  text "POWER SUPPLY" at 37.55,50.208 h3
  text "v.2023.03.06" at 40.2,47.183 h3
  text "USB" at -11.05,17.975 h1
Bottom Overlay:
  lines w0.2: -6,15 ccw(c0,15) 0,9 ; -5.9,84.825 cw(c0.1,84.825) 0.1,90.825 ; -5,15 ccw(c0,15) 0,10 ; -4.9,84.825 cw(c0.1,84.825) 0.1,89.825 ; -4,15 ccw(c0,15) 0,11 ; -3.9,84.825 cw(c0.1,84.825) 0.1,88.825 ; 110,9 ccw(c110,15) 116,15 ; 110,10 ccw(c110,15) 115,15 ; 110,11 ccw(c110,15) 114,15 ; 110,89 cw(c110,85) 114,85 ; 110,90 cw(c110,85) 115,85 ; 110,91 cw(c110,85) 116,85
  lines w0.25: 70.15,52.15 73.875,52.15 ; 70.15,53.875 68.425,53.875 72.525,49.775 80.35,49.775 77.988,52.137 ; 71.725,56.025 71.725,58.35 76.275,53.8 76.275,46.025 73.875,48.425 ; 73.85,52.175 76.263,49.762 ; 73.875,49.775 73.875,48.425 ; 73.875,52.175 73.875,56.056 ; 76.313,52.137 77.975,52.137 77.975,56.025 70.15,56.025 70.15,48.425 73.875,48.425 ; 76.325,48.075 78.025,48.075 78.025,49.75
  lines w0.45: -14.575,37.25 -2.95,37.2 ; -14.5,18.55 -2.875,18.5
  text "RZ" at 71.153,59.072 h4 r45
  text "DP" at -6.75,30.525 h1.5
  text "DM" at -3.55,30.475 h1.5
  text "USB" at -12.883,26.7 h1.5 r270
  text "GND" at -6.675,24.367 h1.5
  text "+5V" at -3.075,24.342 h1.5
Mechanical 2:
  text "o" at 110.354,41.154 h1
  text "o" at 71.954,30.054 h1
  text "+" at 95.854,27.8 h1
  text "o" at 96.254,18.354 h1
  text "o" at 87.954,18.254 h1
  text "+" at 100.854,17.3 h1
  text "+" at 2.454,13 h1
  text "o" at 7.254,1.554 h1
  text "+" at 34.085,1.504 h1
  text "+" at -4.115,1.004 h1

## Text inside footprints (layer, text, board x,y; h text height)
VD2: Mechanical 3 "+" at 10.2,84.55 h1
VD4: Mechanical 3 "+" at 100.625,71.321 h1
VD5: Mechanical 3 "+" at 119.85,69.475 h1 r180
VD6: Mechanical 3 "+" at 100.65,63.625 h1
VD7: Mechanical 3 "+" at 119.925,61.7 h1 r180
VD8: Mechanical 3 "+" at 18.725,18.875 h1 r90
VD9: Mechanical 3 "+" at 13.246,21.275 h1 r270
VD10: Mechanical 3 "+" at 100.6,55.775 h1
VD11: Mechanical 3 "+" at 119.825,54.225 h1 r180
VD12: Mechanical 3 "+" at 100.9,48.375 h1
VD13: Mechanical 3 "+" at 119.8,46.5 h1 r180
VD14: Mechanical 3 "+" at 3.15,26.241 h1 r180
VD15: Mechanical 3 "+" at 3.15,30.846 h1 r180
VD16: Mechanical 3 "+" at 3.075,35.45 h1 r180